# KiCad board C816Pro.kicad_pcb (continued)
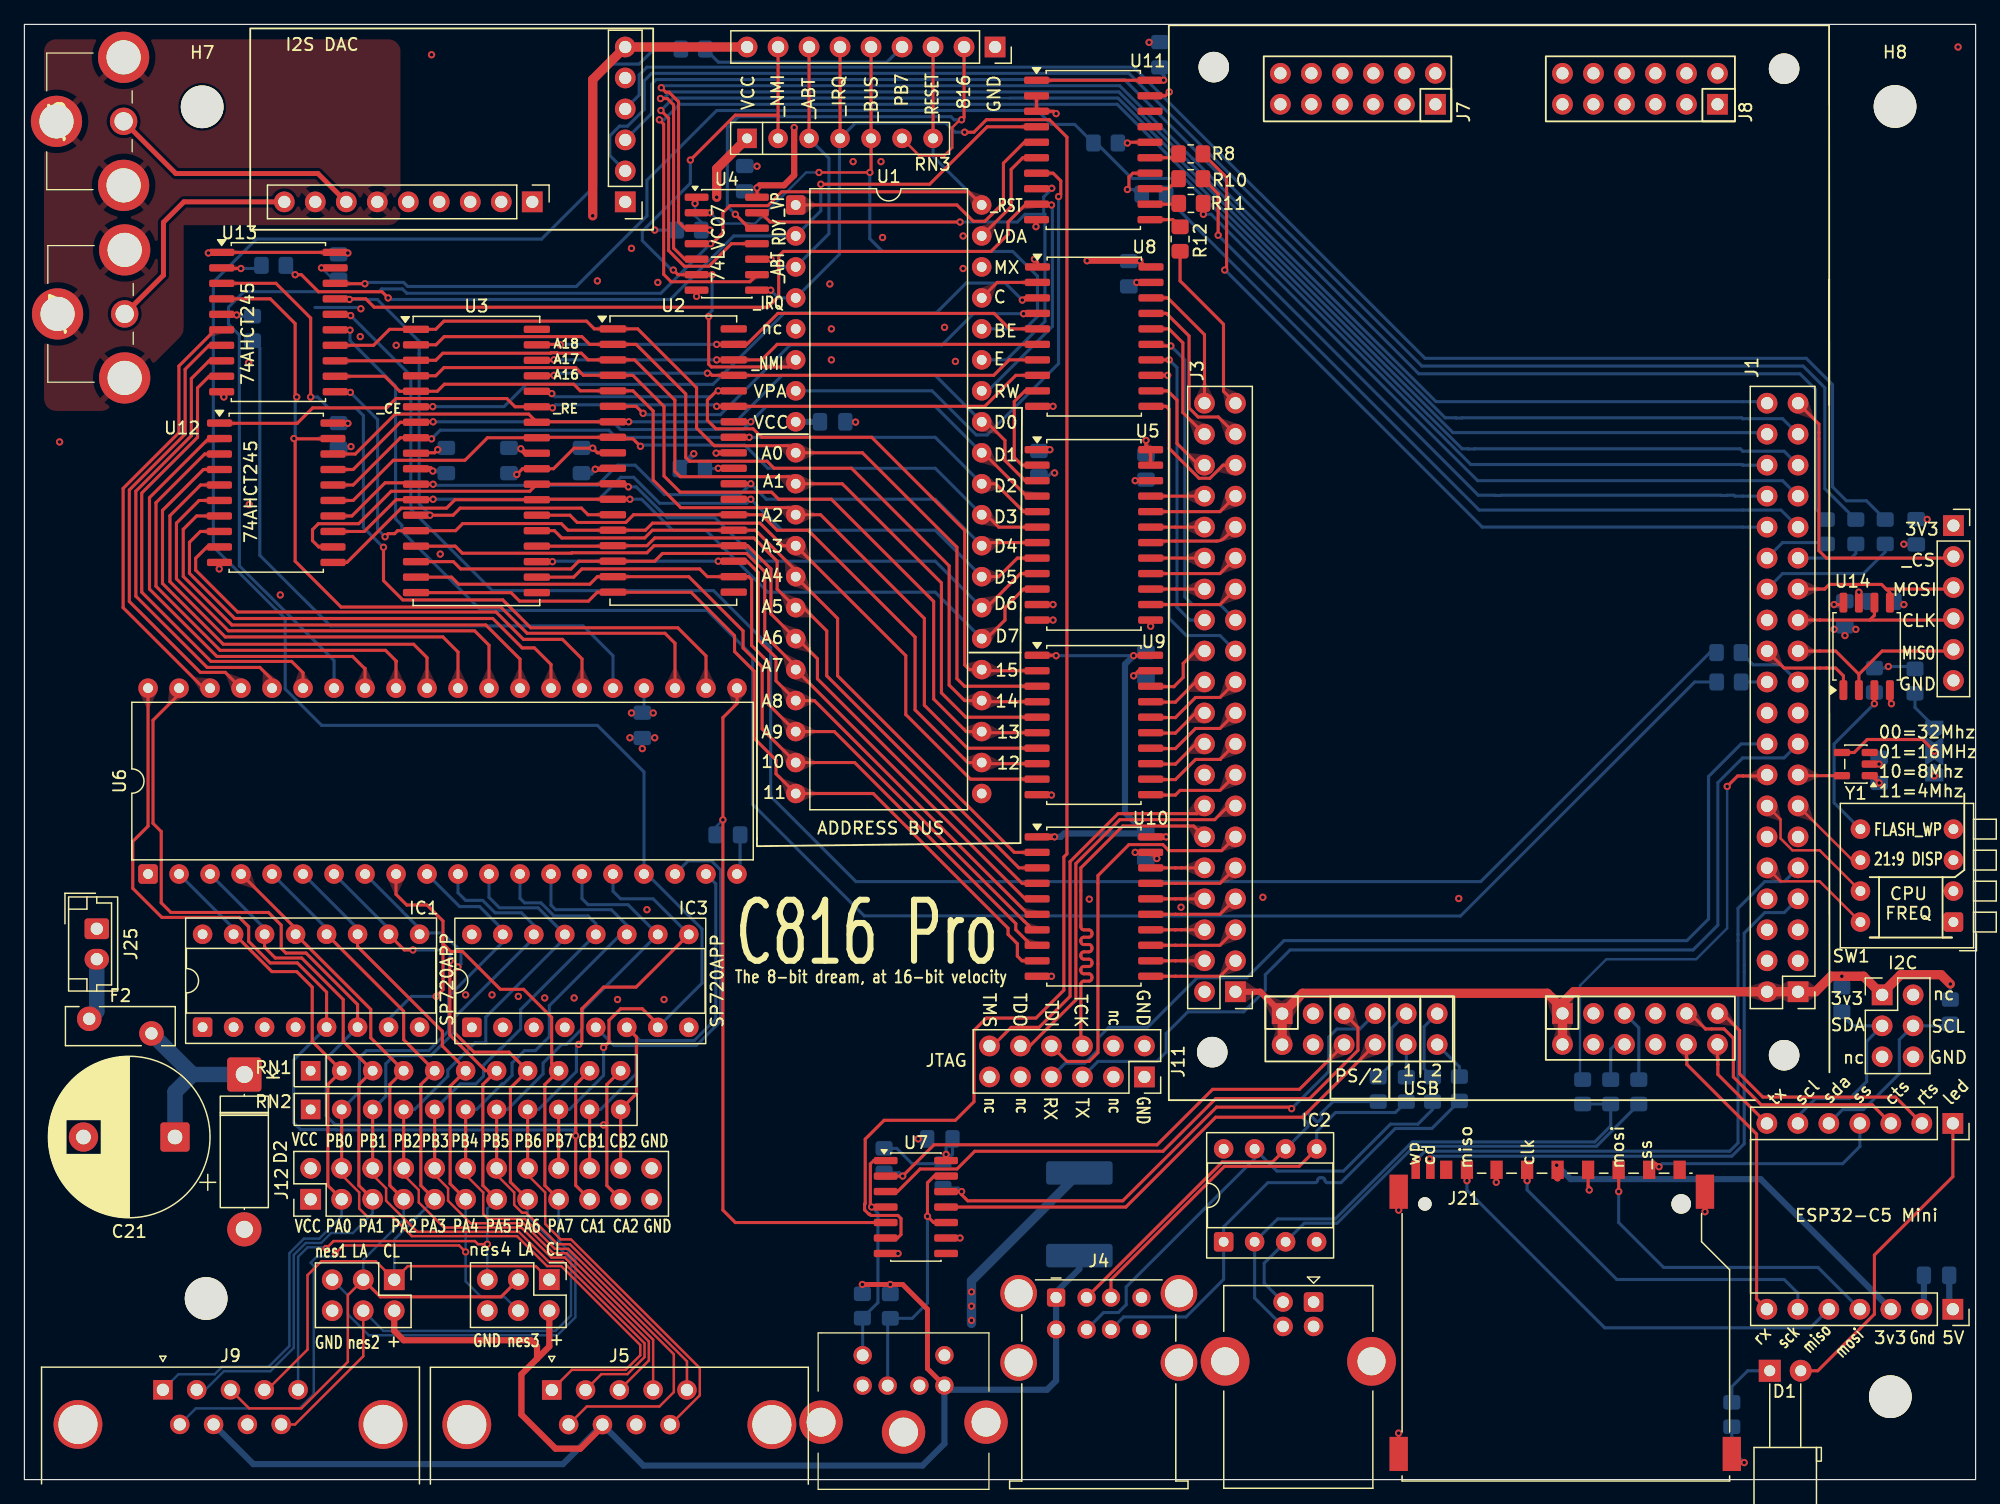
[diagram p0: board, top side]
## Footprints (pads in the part's own frame, mm; a bottom-side part is the same pattern mirrored in y, then rotated)
57492651
  round 1.509 hole 0.97: 1(0,0) 2(-2.6,0) 3(2.05,0) 4(-4.65,0) 5(2.05,-2.49) 6(-4.65,-2.49)
  round 3.555 hole 2.37: 7(-1.3,3.81) 8(-8.06,3) 9(5.46,3)
C_0805_2012Metric_Pad1.18x1.45mm_HandSolder
  rrect 1.175x1.45 smd: 1(-1.038,0) 2(1.038,0)
CP_Radial_D13.0mm_P7.50mm
  rrect 2.4x2.4 hole 1.2: 1(0,0)
  round 2.4 hole 1.2: 2(7.5,0)
D_5W_P12.70mm_Horizontal
  rrect 2.8x2.8 hole 1.4: 1(0,0)
  round 2.8 hole 1.4: 2(12.7,0)
DIP-8_W7.62mm_Socket
  rrect 1.6x1.6 hole 0.8: 1(0,0)
  round 1.6 hole 0.8: 2(0,-2.54) 3(0,-5.08) 4(0,-7.62) 5(7.62,-7.62) 6(7.62,-5.08) 7(7.62,-2.54) 8(7.62,0)
DIP-16_W7.62mm_Socket
  rrect 1.6x1.6 hole 0.8: 1(0,0)
  round 1.6 hole 0.8: 2(0,-2.54) 3(0,-5.08) 4(0,-7.62) 5(0,-10.16) 6(0,-12.7) 7(0,-15.24) 8(0,-17.78) 9(7.62,-17.78) 10(7.62,-15.24) 11(7.62,-12.7) 12(7.62,-10.16) 13(7.62,-7.62) 14(7.62,-5.08) 15(7.62,-2.54) 16(7.62,0)
DIP-40_W15.24mm
  rrect 1.6x1.6 hole 0.8: 1(0,0)
  round 1.6 hole 0.8: 2(0,-2.54) 3(0,-5.08) 4(0,-7.62) 5(0,-10.16) 6(0,-12.7) 7(0,-15.24) 8(0,-17.78) 9(0,-20.32) 10(0,-22.86) 11(0,-25.4) 12(0,-27.94) 13(0,-30.48) 14(0,-33.02) 15(0,-35.56) 16(0,-38.1) 17(0,-40.64) 18(0,-43.18) 19(0,-45.72) 20(0,-48.26) 21(15.24,-48.26) 22(15.24,-45.72) 23(15.24,-43.18) 24(15.24,-40.64) 25(15.24,-38.1) 26(15.24,-35.56) 27(15.24,-33.02) 28(15.24,-30.48) 29(15.24,-27.94) 30(15.24,-25.4) 31(15.24,-22.86) 32(15.24,-20.32) 33(15.24,-17.78) 34(15.24,-15.24) 35(15.24,-12.7) 36(15.24,-10.16) 37(15.24,-7.62) 38(15.24,-5.08) 39(15.24,-2.54) 40(15.24,0)
DSUB-9_Pins_Horizontal_P2.77x2.84mm_EdgePinOffset4.94mm_Housed_MountingHolesOffset4.94mm
  rect 1.6x1.6 hole 1: 1(0,0)
  round 1.6 hole 1: 2(2.77,0) 3(5.54,0) 4(8.31,0) 5(11.08,0) 6(1.385,-2.84) 7(4.155,-2.84) 8(6.925,-2.84) 9(9.695,-2.84)
  round 4 hole 3.2: SH(-6.96,-2.84) SH(18.04,-2.84)
Fuse_2920_7451Metric
  rrect 1.925x5.45 smd: 1(-3.388,0) 2(3.388,0)
Fuse_Bourns_MF-RHT300
  round 2.01 hole 1.01: 1(0,0) 2(5.1,-1.2)
JST_EH_B2B-EH-A_1x02_P2.50mm_Vertical
  rrect 1.7x2 hole 1: 1(0,0)
  oval 1.7x2 hole 1: 2(2.5,0)
LED_D5.0mm_Horizontal_O6.35mm_Z3.0mm
  rect 1.8x1.8 hole 0.9: 1(0,0)
  round 1.8 hole 0.9: 2(2.54,0)
MountingHole_2.5mm
  round 2.5 hole 2.5 unplated: (0,0)
MountingHole_3.5mm
  round 3.5 hole 3.5 unplated: (0,0)
MyNetTie-2_SMD_Pad0.25mm
  oval 0.254x0.254 smd: 1(-0.25,0)
  oval 0.25x0.254 smd: 2(0.25,0)
NYS354
  round 2.25 hole 1.5: 1(0,0)
  round 4.2 hole 2.8: MH1(0,5.5) MH2(-5.25,0) MH3(5.25,0)
PinHeader_1x06_P2.54mm_Vertical
  rect 1.7x1.7 hole 1: 1(0,0)
  round 1.7 hole 1: 2(0,-2.54) 3(0,-5.08) 4(0,-7.62) 5(0,-10.16) 6(0,-12.7)
PinHeader_1x09_P2.54mm_Vertical
  rect 1.7x1.7 hole 1: 1(0,0)
  round 1.7 hole 1: 2(0,-2.54) 3(0,-5.08) 4(0,-7.62) 5(0,-10.16) 6(0,-12.7) 7(0,-15.24) 8(0,-17.78) 9(0,-20.32)
PinHeader_2x03_P2.54mm_Vertical
  rect 1.7x1.7 hole 1: 1(0,0)
  round 1.7 hole 1: 2(2.54,0) 3(0,-2.54) 4(2.54,-2.54) 5(0,-5.08) 6(2.54,-5.08)
PinHeader_2x06_P2.54mm_Vertical
  rect 1.7x1.7 hole 1: 1(0,0)
  round 1.7 hole 1: 2(2.54,0) 3(0,-2.54) 4(2.54,-2.54) 5(0,-5.08) 6(2.54,-5.08) 7(0,-7.62) 8(2.54,-7.62) 9(0,-10.16) 10(2.54,-10.16) 11(0,-12.7) 12(2.54,-12.7)
PinHeader_2x12_P2.54mm_Vertical
  rect 1.7x1.7 hole 1: 1(0,0)
  round 1.7 hole 1: 2(2.54,0) 3(0,-2.54) 4(2.54,-2.54) 5(0,-5.08) 6(2.54,-5.08) 7(0,-7.62) 8(2.54,-7.62) 9(0,-10.16) 10(2.54,-10.16) 11(0,-12.7) 12(2.54,-12.7) 13(0,-15.24) 14(2.54,-15.24) 15(0,-17.78) 16(2.54,-17.78) 17(0,-20.32) 18(2.54,-20.32) 19(0,-22.86) 20(2.54,-22.86) 21(0,-25.4) 22(2.54,-25.4) 23(0,-27.94) 24(2.54,-27.94)
PinHeader_2x20_P2.54mm_Vertical
  rect 1.7x1.7 hole 1: 1(0,0)
  round 1.7 hole 1: 2(2.54,0) 3(0,-2.54) 4(2.54,-2.54) 5(0,-5.08) 6(2.54,-5.08) 7(0,-7.62) 8(2.54,-7.62) 9(0,-10.16) 10(2.54,-10.16) 11(0,-12.7) 12(2.54,-12.7) 13(0,-15.24) 14(2.54,-15.24) 15(0,-17.78) 16(2.54,-17.78) 17(0,-20.32) 18(2.54,-20.32) 19(0,-22.86) 20(2.54,-22.86) 21(0,-25.4) 22(2.54,-25.4) 23(0,-27.94) 24(2.54,-27.94) 25(0,-30.48) 26(2.54,-30.48) 27(0,-33.02) 28(2.54,-33.02) 29(0,-35.56) 30(2.54,-35.56) 31(0,-38.1) 32(2.54,-38.1) 33(0,-40.64) 34(2.54,-40.64) 35(0,-43.18) 36(2.54,-43.18) 37(0,-45.72) 38(2.54,-45.72) 39(0,-48.26) 40(2.54,-48.26)
PinSocket_1x06_P2.54mm_Vertical
  rect 1.7x1.7 hole 1: 1(0,0)
  round 1.7 hole 1: 2(0,-2.54) 3(0,-5.08) 4(0,-7.62) 5(0,-10.16) 6(0,-12.7)
PinSocket_1x07_P2.54mm_Vertical
  rect 1.7x1.7 hole 1: 1(0,0)
  round 1.7 hole 1: 2(0,-2.54) 3(0,-5.08) 4(0,-7.62) 5(0,-10.16) 6(0,-12.7) 7(0,-15.24)
PinSocket_1x09_P2.54mm_Vertical
  rect 1.7x1.7 hole 1: 1(0,0)
  round 1.7 hole 1: 2(0,-2.54) 3(0,-5.08) 4(0,-7.62) 5(0,-10.16) 6(0,-12.7) 7(0,-15.24) 8(0,-17.78) 9(0,-20.32)
PinSocket_2x06_P2.54mm_Vertical
  rect 1.7x1.7 hole 1: 1(0,0)
  round 1.7 hole 1: 2(-2.54,0) 3(0,-2.54) 4(-2.54,-2.54) 5(0,-5.08) 6(-2.54,-5.08) 7(0,-7.62) 8(-2.54,-7.62) 9(0,-10.16) 10(-2.54,-10.16) 11(0,-12.7) 12(-2.54,-12.7)
R_0805_2012Metric_Pad1.20x1.40mm_HandSolder
  rrect 1.2x1.4 smd: 1(-1,0) 2(1,0)
R_Array_SIP7
  rect 1.6x1.6 hole 0.8: 1(0,0)
  round 1.6 hole 0.8: 2(2.54,0) 3(5.08,0) 4(7.62,0) 5(10.16,0) 6(12.7,0) 7(15.24,0)
R_Array_SIP11
  rect 1.6x1.6 hole 0.8: 1(0,0)
  round 1.6 hole 0.8: 2(2.54,0) 3(5.08,0) 4(7.62,0) 5(10.16,0) 6(12.7,0) 7(15.24,0) 8(17.78,0) 9(20.32,0) 10(22.86,0) 11(25.4,0)
SD_TE_2041021
  round 1.1 hole 1.1 unplated: (-11.5,9.175)
  round 1.6 hole 1.6 unplated: (9.5,9.175)
  rect 1x1.5 smd: 1(6.875,11.975) 2(4.375,11.975) 3(1.875,11.975) 4(-0.625,11.975) 5(-3.125,11.975) 6(-5.625,11.975) 7(-8.055,11.975) 8(-9.755,11.975) 9(9.375,11.975)
  rect 0.7x1.5 smd: 10(-11.055,11.975) 11(-12.255,11.975)
  rect 1.5x2.8 smd: SH(-13.65,10.175) SH(-13.65,-11.325) SH(11.45,10.175) SH(13.65,-11.325)
SOIC-8_5.3x5.3mm_P1.27mm
  rrect 1.625x0.65 smd: 1(-3.587,1.905) 2(-3.587,0.635) 3(-3.587,-0.635) 4(-3.587,-1.905) 5(3.587,-1.905) 6(3.587,-0.635) 7(3.587,0.635) 8(3.587,1.905)
SOIC-14_3.9x8.7mm_P1.27mm
  rrect 1.95x0.6 smd: 1(-2.475,3.81) 2(-2.475,2.54) 3(-2.475,1.27) 4(-2.475,0) 5(-2.475,-1.27) 6(-2.475,-2.54) 7(-2.475,-3.81) 8(2.475,-3.81) 9(2.475,-2.54) 10(2.475,-1.27) 11(2.475,0) 12(2.475,1.27) 13(2.475,2.54) 14(2.475,3.81)
SOIC-20W_7.5x12.8mm_P1.27mm
  rrect 2.05x0.6 smd: 1(-4.65,5.715) 2(-4.65,4.445) 3(-4.65,3.175) 4(-4.65,1.905) 5(-4.65,0.635) 6(-4.65,-0.635) 7(-4.65,-1.905) 8(-4.65,-3.175) 9(-4.65,-4.445) 10(-4.65,-5.715) 11(4.65,-5.715) 12(4.65,-4.445) 13(4.65,-3.175) 14(4.65,-1.905) 15(4.65,-0.635) 16(4.65,0.635) 17(4.65,1.905) 18(4.65,3.175) 19(4.65,4.445) 20(4.65,5.715)
SOIC-24W_7.5x15.4mm_P1.27mm
  rrect 2.05x0.6 smd: 1(-4.65,6.985) 2(-4.65,5.715) 3(-4.65,4.445) 4(-4.65,3.175) 5(-4.65,1.905) 6(-4.65,0.635) 7(-4.65,-0.635) 8(-4.65,-1.905) 9(-4.65,-3.175) 10(-4.65,-4.445) 11(-4.65,-5.715) 12(-4.65,-6.985) 13(4.65,-6.985) 14(4.65,-5.715) 15(4.65,-4.445) 16(4.65,-3.175) 17(4.65,-1.905) 18(4.65,-0.635) 19(4.65,0.635) 20(4.65,1.905) 21(4.65,3.175) 22(4.65,4.445) 23(4.65,5.715) 24(4.65,6.985)
SOJ-36_10.16x23.495mm_P1.27mm
  rrect 2.15x0.6 smd: 1(-4.95,10.795) 2(-4.95,9.525) 3(-4.95,8.255) 4(-4.95,6.985) 5(-4.95,5.715) 6(-4.95,4.445) 7(-4.95,3.175) 8(-4.95,1.905) 9(-4.95,0.635) 10(-4.95,-0.635) 11(-4.95,-1.905) 12(-4.95,-3.175) 13(-4.95,-4.445) 14(-4.95,-5.715) 15(-4.95,-6.985) 16(-4.95,-8.255) 17(-4.95,-9.525) 18(-4.95,-10.795) 19(4.95,-10.795) 20(4.95,-9.525) 21(4.95,-8.255) 22(4.95,-6.985) 23(4.95,-5.715) 24(4.95,-4.445) 25(4.95,-3.175) 26(4.95,-1.905) 27(4.95,-0.635) 28(4.95,0.635) 29(4.95,1.905) 30(4.95,3.175) 31(4.95,4.445) 32(4.95,5.715) 33(4.95,6.985) 34(4.95,8.255) 35(4.95,9.525) 36(4.95,10.795)
SolderJumper-3_P2.0mm_Open_TrianglePad1.0x1.5mm_NumberLabels
  custom 1.5x1.5 smd: 1(-2,0) 3(2,0)
  custom 2.4x1.5 smd: 2(0,0)
SW_DIP_SPSTx04_Piano_10.8x11.72mm_W7.62mm_P2.54mm
  rrect 1.6x1.6 hole 0.8: 1(0,0)
  round 1.6 hole 0.8: 2(0,-2.54) 3(0,-5.08) 4(0,-7.62) 5(7.62,-7.62) 6(7.62,-5.08) 7(7.62,-2.54) 8(7.62,0)
TSOT-23-5
  rrect 1.325x0.6 smd: 1(-1.137,0.95) 2(-1.137,0) 3(-1.137,-0.95) 4(1.137,-0.95) 5(1.137,0.95)
USB_A_Wuerth_61400826021_Horizontal_Stacked
  rrect 1.5x1.5 hole 0.92: 1(0,0)
  round 1.5 hole 0.92: 2(2.5,0) 3(4.5,0) 4(7,0) 5(0,-2.62) 6(2.5,-2.62) 7(4.5,-2.62) 8(7,-2.62)
  round 3 hole 2.3: SH(-3.07,0.35) SH(-3.07,-5.33) SH(10.07,0.35) SH(10.07,-5.33)
USB_B_Lumberg_2411_02_Horizontal
  rrect 1.6x1.6 hole 0.95: 1(0,0)
  round 1.6 hole 0.95: 2(0,-2.5) 3(2,-2.5) 4(2,0)
  round 4 hole 2.3: SH(4.86,4.75) SH(4.86,-7.25)

## Nets
+3V3: C7.1 C9.1 C12.1 C13.1 C14.1 C15.1 C17.1 C18.1 C19.1 IC2.8 J1.1 J1.2 J2.1 J2.2 J3.1 J6.1 J6.2 J7.1 J7.2 J8.1 J8.2 J16.1 J19.1 R5.2 R7.1 R15.1 R16.1 R25.2 R26.2 R34.1 U4.14 U5.23 U5.24 U7.14 U9.1 U9.20 U10.1 U10.20 U11.1 U11.20 U14.8 Y1.1
/A3V3: J24.5
/AGND: J24.6 J24.8 J26.MH1 J26.MH2 J26.MH3 J27.MH1 J27.MH2 J27.MH3
/VBUS: F1.1 J4.1 J4.5 J5.7 J9.7 J10.4 J14.2 J15.2 R4.2 R6.1
GND: C1.2 C2.2 C3.2 C4.2 C5.2 C6.2 C7.2 C8.2 C9.2 C10.2 C11.2 C12.2 C13.2 C14.2 C15.2 C16.2 C17.2 C18.2 C19.2 C20.2 C21.2 D2.2 IC1.1 IC1.2 IC1.3 IC1.4 IC1.8 IC2.4 IC3.1 IC3.2 IC3.3 IC3.4 IC3.8 J1.5 J1.6 J1.8 J2.3 J2.4 J3.2 J3.16 J4.4 J4.8 J4.SH J5.8 J6.3 J6.4 J7.3 J7.4 J8.3 J8.4 J9.8 J10.3 J10.7 J10.8 J10.9 J11.1 J11.2 J12.23 J12.24 J13.1 J14.6 J15.6 J16.6 J17.1 J18.4 J18.SH J19.6 J20.1 J20.5 J21.3 J21.6 J21.SH J22.2 J25.1 R2.1 R24.2 SW1.1 SW1.2 SW1.3 SW1.4 U1.21 U2.10 U2.28 U3.10 U3.28 U4.7 U5.11 U5.12 U5.13 U5.22 U6.1 U7.7 U7.9 U8.1 U8.10 U8.19 U9.10 U9.19 U10.10 U10.19 U11.2 U11.3 U11.10 U11.19 U12.10 U13.10 U13.19 U14.4 Y1.2
VCC: C1.1 C2.1 C3.1 C4.1 C5.1 C6.1 C8.1 C10.1 C11.1 C16.1 C20.1 C21.1 D2.1 F1.2 F2.2 IC1.16 IC3.16 J1.3 J1.4 J12.1 J12.2 J17.9 J20.6 J22.1 R3.1 RN1.1 RN2.1 RN3.1 U1.8 U2.9 U2.27 U3.9 U3.27 U5.1 U6.20 U6.24 U8.20 U12.20 U13.1 U13.20
/ A13_IOR32A_READY: J1.20
/_ABT: J17.7 RN3.3 U1.3 U4.10
/_ABT.: NT56.2 U4.11
/_CE1: U2.6 U8.4
/_CE2: U3.6 U8.3
/_CESD: J16.2 NT63.2
/_CS2_VIA: U6.23 U12.19 U13.4
/_CSFLASH: NT51.2 U14.1
/_CSVIA: R14.1 U13.16
/_IRQ: J17.6 RN3.4 U1.4 U4.8 U7.6
/_IRQ.: NT58.2 U4.9
/_IRQ.2: R3.2 U6.21 U7.5
/_NMI: J17.8 RN3.2 U1.6 U4.6
/_NMI.: NT57.2 U4.5
/_RE: U2.31 U3.31 U8.8 U12.1
/_RESET: J17.3 RN3.7 U1.40 U4.4 U6.34
/_RESET.: NT54.1 NT55.2 R2.2 U4.3
/_RWVIA: U6.22 U13.3
/_VP: U1.1 U11.5
/_VP.: R8.2 U11.15
/_WE: NT52.2 U2.13 U3.13
/_WPFLASH: R15.2 SW1.5 U14.3
/A0: U1.9 U2.1 U3.1 U9.3 U13.14
/A1: U1.10 U2.3 U3.3 U9.5 U13.13
/A2: U1.11 U2.5 U3.5 U9.7 U13.12
/A3: U1.12 U2.14 U3.14 U9.9 U13.11
/A4: U1.13 U2.23 U3.23 U10.2
/A5: U1.14 U2.15 U3.22 U10.3
/A6: U1.15 U2.22 U3.15 U10.4
/A7: U1.16 U2.16 U3.16 U10.5
/A8: U1.17 U2.21 U3.21 U10.6
/A9: U1.18 U2.20 U3.20 U10.7
/A9_IOL27A: J2.8
/A10: U1.19 U2.17 U3.17 U10.8
/A11: U1.20 U2.18 U3.18 U10.9
/A11_IOL15A: J3.17 NT36.1
/A12: U1.22 U2.24 U3.24 U9.8
/A12_IOL13B: J3.6 NT27.2
/A13: U1.23 U2.4 U3.4 U9.6
/A14: U1.24 U2.2 U3.2 U9.4
/A14_IOL8B: J3.22 NT43.2
/A15: U1.25 U2.32 U3.32 U9.2
/A15_IOL2B: J3.24 NT42.2
/A16: U2.33 U3.33 U8.7
/A17: U2.34 U3.34 U8.6
/A18: U2.35 U3.35 U8.5
/A_0: NT43.1 U9.17
/A_1: NT44.1 U9.15
/A_2: NT45.1 U9.13
/A_3: NT37.2 U9.11
/A_4: NT29.1 U10.18
/A_5: NT33.1 U10.17
/A_6: NT28.1 U10.16
/A_7: NT32.1 U10.15
/A_8: NT27.1 U10.14
/A_9: NT31.1 U10.13
/A_10: NT26.1 U10.12
/A_11: NT30.1 U10.11
/A_12: NT36.2 U9.12
/A_13: NT35.2 U9.14
/A_14: NT34.2 U9.16
/A_15: NT42.1 U9.18
/B11_IOL13A: J3.5 NT31.2
/B12_IOL7B: J3.19 NT35.1
/B13_IOL8A: J3.21 NT34.1
/B14_IOL2A: J3.23 U8.13
/BE: J17.5 RN3.5 U1.36 U4.2
/BE.: NT54.2 U4.1
/C9_IOL27B: J2.7
/C10_IOR39A: J3.15 NT37.1
/C11_IOL15B: J3.18 NT45.2
/C12_IOL7A: J3.20 NT44.2
/C13_IOR32B_DONE: J1.16 NT48.2
/CA1: IC1.5 J12.19 RN1.10 U6.40
/CA2: IC1.6 J12.21 RN1.11 U6.39
/CB1: IC3.5 J12.20 RN2.10 U6.18
/CB2: IC3.6 J12.22 RN2.11 U6.19
/CLK_IN: J1.15 Y1.5
/CLKVIA: R13.1 U13.15
/D0: U1.33 U2.7 U3.30 U5.3 U12.18
/D1: U1.32 U2.30 U3.7 U5.4 U12.17
/D2: U1.31 U2.29 U3.8 U5.5 U12.16
/D3: U1.30 U2.8 U3.29 U5.6 U12.15
/D4: U1.29 U2.26 U3.11 U5.7 U12.14
/D5: U1.28 U2.25 U3.12 U5.8 U12.13
/D6: U1.27 U2.11 U3.26 U5.9 U12.12
/D7: U1.26 U2.12 U3.25 U5.10 U12.11
/D10_IOL17A: J6.8 U7.11
/D11_IOL22A: J6.5 U7.3
/DATADIR: U5.2 U8.9
/DEMP: J24.2
/DIV: J13.2 Y1.4
/DO NOT USE B10_IOR31B_~{RECFG}: J1.19
/E: U1.35 U4.13 U11.8
/E8_IOL45B_1V5: J1.14 SW1.7
/E9_IOL38B_1V5: J1.13 SW1.6
/E10_IOL17B: J6.7 R7.2 U7.12
/E.: R11.2 U11.12
/EPS_CTS: J23.3 NT38.2
/ESP_3V3: J21.4 J22.3
/ESP_CARD: J21.10 NT39.2
/ESP_CS: J21.1 J23.4
/ESP_MISO: J21.7 J22.5
/ESP_MOSI: J21.2 J22.4
/ESP_RTS: J23.2 NT25.2
/ESP_RX: J22.7 NT23.1
/ESP_SCK: J21.5 J22.6
/ESP_SCL: J19.3 J23.6 R26.1
/ESP_SDA: J19.4 J23.5 R25.1
/ESP_STATUS: D1.2 J23.1
/ESP_TX: J23.7 NT24.2
/ESP_WP: J21.11 NT40.2
/F10_IOL11A: J6.6 R5.1 U7.2
/F14_IOT9A: J3.28 U5.15
/F16_IOT9B: J3.27 U5.14
/F_VCCO0&1: J1.11
/F_VCCO7: J1.12
/FLT: J24.1
/FMT: J24.4
/G14_IOT13B: J3.30 U5.17
/G15_IOT13A: J3.29 U5.16
/I2S_BCK: J20.2 R32.1
/I2S_DIN: J20.3 R31.1
/I2S_LRCK: J20.4 R27.1
/JTAG_TCK: J3.12 J11.6
/JTAG_TDI: J3.11 J11.8
/JTAG_TDO: J3.13 J11.10
/JTAG_TMS: J3.14 J11.12
/L: J24.9 J27.1
/LVDS_IOR11_N: J3.39 R12.1
/LVDS_IOR11_P: J3.40 U8.18
/LVDS_IOR17_N: J1.30 R31.2
/LVDS_IOR17_P: J1.29 R32.2
/LVDS_IOR20_N: J3.37 U8.17
/LVDS_IOR20_P: J3.38 U8.16
/LVDS_IOR24_N: J1.31 NT61.2
/LVDS_IOR24_P: J1.32 NT62.2
/LVDS_IOR29_N: J7.10
/LVDS_IOR29_P: J7.9
/LVDS_IOR38_N: J7.6
/LVDS_IOR38_P: J7.5
/LVDS_IOR40_N: J3.7 NT32.2
/LVDS_IOR40_P: J3.8 NT28.2
/LVDS_IOR42_N: J7.7
/LVDS_IOR42_P: J7.8
/LVDS_IOR44_N: J6.11 R18.1
/LVDS_IOR44_P: J6.12 R28.1
/LVDS_IOR49_N: J6.9 R29.1
/LVDS_IOR49_P: J6.10 R30.1
/LVDS_IOR53_N: J7.11
/LVDS_IOR53_P: J7.12
/LVDS_IOT8_N: J3.33 U5.20
/LVDS_IOT8_P: J3.34 U5.21
/LVDS_IOT14_N: J1.21 R14.2
/LVDS_IOT14_P: J1.22 R13.2
/LVDS_IOT18_N: J1.24 NT51.1
/LVDS_IOT18_P: J1.23 NT66.1
/LVDS_IOT22_N: J3.31 U5.18
/LVDS_IOT22_P: J3.32 U5.19
/LVDS_IOT32_N: J2.5 R22.1
/LVDS_IOT32_P: J2.6 R23.1
/LVDS_IOT36_N: J1.25 NT65.1
/LVDS_IOT36_P: J1.26
/LVDS_IOT38_N: J1.27 NT64.1
/LVDS_IOT38_P: J1.28 R27.2
/LVDS_IOT40_N: J3.36 U8.12
/LVDS_IOT40_P: J3.35 U8.11
/LVDS_IOT44_N: J3.26 U8.14
/LVDS_IOT44_P: J3.25 U8.15
/LVDS_RX1_N: J1.39 NT63.1
/LVDS_RX1_P: J1.40 NT55.1
/LVDS_RX2_N: J8.6
/LVDS_RX2_P: J8.5
/LVDS_RX3_N: J8.8
/LVDS_RX3_P: J8.7
/LVDS_RX4_N: J8.9
/LVDS_RX4_P: J8.10
/LVDS_RX5_N: J8.11
/LVDS_RX5_P: J8.12
/LVDS_TX1_N: J2.10 NT23.2
/LVDS_TX1_P: J2.9 NT38.1
/LVDS_TX2_N: J2.11 NT25.1
/LVDS_TX2_P: J2.12 NT24.1
/LVDS_TX3_N: J1.34 NT60.2
/LVDS_TX3_P: J1.33 NT59.2
/LVDS_TX4_N: J1.35 NT58.1
/LVDS_TX4_P: J1.36 NT53.1
/LVDS_TX5_N: J1.37 NT57.1
/LVDS_TX5_P: J1.38 NT56.1
/M11_IOR27B_FPGA_TXO: J1.18 J11.7
/MISO: J16.5 NT66.2 U14.2
/MOSI: J16.3 NT64.2 U14.5
/MX: U1.38
/N6_IOR51A: J3.3 NT30.2
/N7_IOR47B: J3.4 NT26.2
/N9_IOR36B: J3.10 NT29.2
/PA0: IC1.15 J9.1 J12.3 RN1.2 U6.2
/PA1: IC1.14 J9.2 J12.5 RN1.3 U6.3
/PA2: IC1.13 J9.3 J12.7 J14.3 J15.3 RN1.4 U6.4
/PA3: IC1.12 J9.4 J12.9 J14.1 J15.1 RN1.5 U6.5
/PA4: IC1.11 J9.6 J12.11 J14.4 RN1.6 U6.6
/PA5: IC1.10 J9.5 J12.13 J14.5 RN1.7 U6.7
/PA6: IC1.9 J9.9 J12.15 J15.4 RN1.8 U6.8
/PA7: IC1.7 J12.17 J15.5 RN1.9 U6.9
/PB0: IC3.15 J5.1 J12.4 RN2.2 U6.10
/PB1: IC3.14 J5.2 J12.6 RN2.3 U6.11
/PB2: IC3.13 J5.3 J12.8 RN2.4 U6.12
/PB3: IC3.12 J5.4 J12.10 RN2.5 U6.13
/PB4: IC3.11 J5.6 J12.12 RN2.6 U6.14
/PB5: IC3.10 J5.5 J12.14 RN2.7 U6.15
/PB6: IC3.9 J5.9 J12.16 RN2.8 U6.16
/PB7: IC3.7 J12.18 R33.1 RN2.9 U6.17
/PHI2: U1.37 U8.2
/PHI2.2: R1.1 U13.5
/PHIVIA: R1.2 U6.25
/PS2DAT: J10.1 R6.2 U7.10 U7.13
/PSCLK: J10.5 R4.1 U7.1 U7.4
/R: J24.7 J26.1
/R9_IOR35A: J3.9 NT33.2
/RDY: R19.2 U1.2 U11.4
/RDY.: NT53.2 R17.1 U13.18
/RDY..: R17.2 U11.16
/RS0: U6.38 U13.6
/RS1: U6.37 U13.7
/RS2: U6.36 U13.8
/RS3: U6.35 U13.9
/RW: NT52.1 U1.34 U11.9 U13.17
/SCK: J16.4 NT65.2 U14.6
/T3_IOB52B_1V5: J1.9 NT40.1
/T4_IOB45B_1V5: J1.10 SW1.8
/T5_IOB54B_1V5: J1.7 NT39.1
/T13_IOR8B_FPGA_RXO: J1.17 J11.5
/UD1N: IC2.6 J4.2 R29.2
/UD1P: IC2.5 J4.3 R30.2
/UD2N: IC2.7 J4.6 R18.2
/UD2P: IC2.1 J4.7 R28.2
/UD3N: IC2.3 J18.2 R22.2
/UD3P: IC2.2 J18.3 R21.2 R23.2
/USB3_CON: NT48.1 R21.1
/VD0: U6.33 U12.2
/VD1: U6.32 U12.3
/VD2: U6.31 U12.4
/VD3: U6.30 U12.5
/VD4: U6.29 U12.6
/VD5: U6.28 U12.7
/VD6: U6.27 U12.8
/VD7: U6.26 U12.9
/VDA: U1.39 U11.6
/VDA.: R9.2 U11.14
/VPA: U1.7 U11.7
/VPA.: R10.2 U11.13
/XSMT: J24.3
Net-(D1-K): D1.1 R24.1
Net-(J13-Pin_3): J13.3 R34.2
Net-(J17-Pin_2): J17.2 RN3.6 U4.12
Net-(J17-Pin_4): J17.4 R33.2
Net-(J25-Pin_2): F2.1 J25.2
Net-(NT59-Pad1): NT59.1 R11.1
Net-(NT60-Pad1): NT60.1 R10.1
Net-(NT61-Pad1): NT61.1 R9.1
Net-(NT62-Pad1): NT62.1 R8.1
Net-(U11-B7): R12.2 U11.11
Net-(U13-A0): R19.1 U13.2
Net-(U14-~{HOLD}/~{RESET}/IO_{3}): R16.2 U14.7

Pads without a net: J5 SH; J9 SH; J10 2 6; J11 3 4 9 11; J18 1; J19 2 5; J21 8 9; U1 5; U2 19 36; U3 19 36; U7 8; U11 17 18; Y1 3

## Via types
v1: diameter 0.6, hole 0.3, Top to Bottom, 223 vias

## Routing (per net, layer and track width the routed paths; a pad name or vN(x,y) marks a point on that pad's centre or on a via; arc(x,y) is an arc through that point)
+3V3: length 147.8
  Top w0.254: U7.14 v1(75.53,26.67) ; U9.1 84.51,67.6 v1(84.54,67.56) ; v1(90.89,67.56) 92.25,67.56 U9.20 ; 149.06,71.91 148.9,71.75 v1(148.3,71.75) ; v1(151.99,57.13) 151.4,57.72 Y1.1 ; U11.20 U11.1 ; U4.14 v1(60.03,105.92) ; 92.29,83.18 U5.24 91.91,84.84 v1(91.91,85.22)
  Top w0.508: J6.1 101.28,40.01 J3.1 ; v1(63.08,110.87) 63.08,106.96 62.25,106.13 60.25,106.13 v1(60.03,105.92) ; U10.20 v1(93.56,52.7) ; U10.1 v1(84.42,52.7)
  Top w0.762: J2.1 126.04,39.08 126.96,40.01 J1.2 J1.1 146.77,40.01 148.04,41.27 v1(148.93,41.27) 150.71,41.27 J19.1 152.23,39.88 153.76,41.4 157.06,41.4 v1(157.82,40.64) ; J2.1 J2.2 ; J2.1 126.04,38.64 124.8,39.88 104.74,39.88 J6.1 J6.2
  Bottom w0.254: R5.2 71.48,27.16 72.73,25.91 R7.1 76.06,26.69 C7.1 75.53,27.41 v1(75.53,26.67) ; R25.2 v1(157.82,40.64) ; R16.1 153.76,72.01 v1(154.01,71.75) ; C19.1 155.9,78.76 v1(155.92,78.74) ; v1(93.36,114.76) 93.43,114.83 93.43,115.06 93.05,115.44 C12.1 ; R15.1 152.62,66.55 v1(152.74,66.67) 154.73,66.67 R34.1 ; R26.2 v1(148.93,41.27) ; C14.1 v1(91.91,85.22) ; v1(148.3,71.75) 148.57,72.03 C17.1 ; v1(60.03,105.92) 59.3,105.92 C9.1 ; v1(84.54,67.56) v1(90.89,67.56)
  Bottom w0.508: v1(84.42,52.7) 84.92,52.7 85.2,52.98 C15.1 90.19,54.69 90.19,66.86 v1(90.89,67.56)
/VBUS: length 137.7
  Top w0.406: J10.4 74,9.1 74,13.97 71.97,16 v1(70.95,16) v1(68.67,16)
  Top w0.508: J15.2 30.31,12.2 31.08,11.43 41.49,11.43 42.01,10.91 42.01,9.91 ; J5.7 47.37,4.35 45.55,2.54 43.52,2.54 40.73,5.33 40.73,8.64 42.01,9.91 ; J14.2 43.01,10.92 42.01,9.91
  Bottom w0.254: R4.2 v1(68.67,16) ; R6.1 v1(70.95,16)
  Bottom w0.508: F1.1 86.45,17.27 84.54,15.37 J4.1 J4.5 84.54,8.11 83.79,7.37 75.74,7.37 J10.4 75.39,2.95 73.59,1.15 50.73,1.15 J5.7 44.13,1.27 18.76,1.27 J9.7
GND: length 78.7
  Top w0.254: 112.62,2.11 112.62,3.81 v1(112.61,3.81) ; J21.6 120.64,24.41 v1(120.61,24.38) ; v1(90.89,65.91) 91.27,66.29 92.25,66.29 U9.19 ; U10.10 v1(84.16,41.27) ; v1(55.08,97.03) 55.08,97.03 U4.7 ; v1(82.89,102.74) 82.94,102.79 U11.10 ; v1(128.23,23.75) 128.23,23.98 128.14,24.07 J21.3 ; U12.10 15.99,74.7 v1(15.96,74.68) ; v1(91.02,81.91) U5.22 ; U5.13 v1(92.29,69.98) ; v1(92.8,50.93) U10.19 v1(91.02,51.43) ; v1(93.81,113.79) 93.5,113.48 U11.19 ; J21.SH 140.62,1.4 v1(140.93,1.4) 139.92,1.4 ; 83.02,88.01 v1(84.29,88.01) ; U7.9 v1(76.67,19.81) ; U13.10 16.17,88.85 16.24,88.77 v1(16.34,88.77) ; U8.19 v1(91.15,98.17) ; v1(137.72,21.97) 137.72,22.9 ; v1(82.77,100.08) 83.02,99.82 83.02,99.44 ; v1(112.62,22.1) 112.62,23.61 ; U11.2 U11.3 84.35,112.21 84.54,112.02 v1(84.54,112.01) ; v1(24.35,99.36) U13.19 ; U14.4 152.87,63.75 v1(153,63.63) ; 112.62,1.4 112.62,2.36 ; U7.7 v1(71.59,18.54) ; U5.12 v1(84.29,70.48) ; v1(84.16,56.13) 84.13,56.17 U9.10 ; J13.1 v1(156.5,57.71) ; Y1.2 v1(151.98,58.67) ; U5.11 v1(84.29,71.75)
  Top w0.406: v1(40.68,84.53) 41.05,84.16 U3.28 ; 58.13,84.2 56.71,84.2 v1(56.68,84.18) ; v1(46.77,82.85) 48.15,82.85 48.23,82.93 ; U3.10 33.27,82.89 v1(33.46,82.7)
  Bottom w0.2: v1(24.35,99.36) 25.31,98.4 C11.2 26.36,98.4
  Bottom w0.254: C17.2 149.84,69.96 v1(150.08,69.72) ; C17.2 149.18,69.23 v1(149.19,69.21) ; C17.2 148.53,69.96 v1(148.3,69.72) ; v1(51.65,102.46) R2.1 ; C13.2 91.55,65.76 91.4,65.91 v1(90.89,65.91) ; R24.2 139.92,2.41 v1(140.93,1.4) ; v1(154.01,76.71) 154.03,76.69 C19.2 ; v1(151.98,58.67) 151.98,59.19 C18.2 ; C16.2 83.89,82.27 84.16,82.55 v1(84.42,82.55) ; C7.2 v1(73.24,27.94) ; C12.2 92.19,117.88 v1(92.16,117.86) ; C9.2 59.88,107.72 59.91,107.7 v1(60.03,107.7) ; C8.2 v1(50.63,59.94) ; C8.2 49.64,60.81 v1(49.62,60.83) ; C8.2 51.63,60.81 v1(51.65,60.83) ; 23.81,96.11 27.47,96.11 v1(27.57,96.01) ; v1(26.76,84.71) 26.61,84.56 C10.2 ; C14.2 91.1,82 v1(91.02,81.91) ; v1(92.8,50.93) 92.78,50.91 C15.2 91.55,50.91 v1(91.02,51.43) ; IC1.2 17.14,37.68
  Bottom w0.406: v1(40.68,84.53) 39.79,84.53 C3.2 ; C2.2 46.45,82.53 v1(46.77,82.85) ; v1(68.11,86.72) 68.08,86.74 C1.2 ; v1(54.85,84.12) 53.69,82.96 C4.2 ; C5.2 34.57,82.55 34.42,82.7 v1(33.46,82.7)
  Bottom w0.508: C6.2 155.66,14.14 155.49,13.97
  vias: v1(2.88,85.09) v1(18.38,91.59) v1(18.43,79.96) v1(20.97,72.54) v1(27.52,93.73) v1(30.47,93.01) v1(33.36,116.84) v1(34.07,75.9) v1(36.16,39.75) v1(38.32,39.75) v1(40.47,39.62) v1(42.63,39.5) v1(45.05,39.5) v1(46.95,98.3) v1(48.6,39.37) v1(49.75,100.96) v1(51.02,46.74) v1(51.9,98.17) v1(52.41,39.37) v1(66,98.04) v1(66.13,94.36) v1(66.13,91.82) v1(67.91,108.08) v1(70.19,108.08) v1(70.32,101.85) v1(75.4,94.49) v1(76.29,91.69) v1(76.92,101.98) v1(76.92,99.31) v1(87.26,47.6) v1(94.78,46.94) v1(101.49,47.75) v1(117.54,47.65) v1(158.46,117.47)
VCC: length 106.7
  Top w0.254: v1(40.35,82.42) 40.82,82.89 U3.27 43.36,82.89 45.05,84.58 v1(46.57,84.58) 46.95,84.2 U2.9 ; U5.1 v1(84.04,84.45) ; U13.1 U13.20 ; v1(91.4,99.95) 91.91,99.44 92.32,99.44 ; v1(33.87,84.45) 33.62,84.2 32.13,84.2 U3.9 ; U12.20 25.31,86.61 v1(26.5,86.61) ; v1(56.86,82.93) 58.13,82.93
  Top w0.508: v1(91.4,99.95) v1(87.08,99.95)
  Top w0.762: RN3.1 56.73,107.49 v1(56.73,105.16) ; v1(46.57,103.63) 46.57,114.81 J20.6 J17.9
  Bottom w0.254: C4.1 56.83,82.91 v1(56.86,82.93) ; 86.42,25.1 86.45,25.12 F1.2 ; R3.1 58.65,49.92 U6.20 ; v1(51.52,62.86) 51.5,62.89 C8.1 ; v1(46.57,84.58) 45.68,84.58 C2.1 ; C8.1 49.77,62.89 v1(49.75,62.86) ; C8.1 50.77,63.02 U6.24 ; C20.1 90.53,99.95 v1(91.4,99.95)
  Bottom w0.508: v1(84.04,84.45) 83.24,84.45 C16.1 ; J22.1 157.73,14.27 C6.1 ; C1.1 U1.8
  Bottom w0.762: 77.61,12.8 v1(77.61,13.06) v1(77.61,14.22) v1(77.61,15.39) 77.61,16.31 F1.2
  Bottom w1.27: C21.1 12.34,31.79 13.77,33.22 ; 13.77,33.22 D2.1 ; 13.77,33.22 F2.2
  vias: v1(15.07,100.58) v1(26.5,100.58)
/ A13_IOR32A_READY: length 0.2
  Top w0.254: 142.78,62.84 J1.20
  Bottom w0.2: 142.74,62.8 J1.20
  Bottom w0.254: 142.78,62.84 J1.20
/_ABT: length 23.3
  Top w0.254: v1(61.18,100.08) U4.10 ; RN3.3 J17.7
  Bottom w0.254: v1(61.18,100.08) 61.81,99.44 U1.3 65.93,102.16 65.93,108.36 RN3.3
/_ABT.: length 120.7
  Top w0.254: U4.11 57.94,101.35 56.09,99.5 54.08,99.5 52.79,100.78 52.79,111.64 v1(52.16,112.27)
  Bottom w0.203: 79.2,113.28 80.73,113.28
  Bottom w0.254: 80.73,113.28 89.62,113.28 95.41,107.49 95.42,107.49 117.06,85.85 NT56.2 ; 79.2,113.28 53.17,113.28 v1(52.16,112.27)
/_CE1: length 38.5
  Top w0.254: v1(50.7,87.44) 50.13,88.01 U2.6 ; 83.02,95.63 82.99,95.61 v1(81.88,95.61)
  Bottom w0.254: v1(81.88,95.61) 77.76,95.61 75.2,93.04 62.75,93.04 57.04,87.33 50.81,87.33 v1(50.7,87.44)
/_CE2: length 55.8
  Top w0.254: v1(33.46,87.99) 32.1,87.99 U3.6 ; 83.02,96.9 81.95,96.9 v1(81.78,96.72)
  Bottom w0.254: v1(81.78,96.72) 80.38,98.12 77.18,98.12 74.71,95.66 62.27,95.66 56.42,89.81 41.13,89.81 39.31,87.99 v1(33.46,87.99)
/_CESD: length 20.5
  Top w0.254: NT63.2 147.05,76.18 147.67,75.56 157.95,75.56
  Bottom w0.2: 157.82,75.56 157.95,75.44
/_CS2_VIA: length 67.3
  Top w0.254: v1(22.31,88.77) 22.19,88.9 22.19,94.79 20.15,96.82 U13.4 ; U6.23 53.31,68.58 52.49,69.4 41.19,69.4 39.04,71.55 25.95,71.55 22.19,75.31 22.19,85.27 v1(22.09,85.37) 22.11,85.34 25.26,85.34 U12.19
  Bottom w0.254: v1(22.09,85.37) 22.19,85.47 22.19,88.65 v1(22.31,88.77)
/_CSFLASH: length 2.8
  Top w0.254: NT51.2 148.42,66.55 149.06,65.91 149.06,64.74
/_CSVIA: length 153.8
  Top w0.254: v1(26.73,95.45) 26.63,95.55 U13.16
  Bottom w0.254: v1(26.73,95.45) 31.66,90.53 31.66,79.58 38.34,72.9 56.48,72.9 61.15,68.22 61.15,56.03 68.15,49.04 119.34,49.04 138.12,67.82 R14.1
/_IRQ: length 152.6
  Top w0.254: U7.6 71.55,19.81 71.83,20.09 71.83,21.41 71.58,21.66 69.37,21.66 69.26,21.77 69.19,21.77 68.85,22.11 68.85,22.59 68.9,22.64 68.9,27.92 70.45,29.46 76.29,29.46 77.81,30.99 77.81,36.83 78.83,37.85 82.89,37.85 85.18,40.13 85.18,51.05 85.43,51.31 85.43,110.08 84,111.51 78.84,111.51 77.81,110.49 v1(77.05,110.49) ; J17.6 RN3.4 ; v1(61.15,97.54) U4.8
  Bottom w0.254: v1(77.05,110.49) 76.27,110.49 75.51,111.25 68.11,111.25 RN3.4 66.79,109.93 66.79,100.48 U1.4 61.79,96.9 v1(61.15,97.54)
/_IRQ.: length 122.1
  Top w0.254: v1(52.03,111.51) 52.38,111.15 52.38,98.84 52.99,98.23 59.45,98.23 U4.9
  Bottom w0.254: NT58.2 140.61,84.53 118.84,84.53 118.82,84.51 118.34,84.51 118.32,84.53 117.81,84.53 95.25,107.09 95.24,107.09 89.55,112.78 53.68,112.78 52.41,111.51 v1(52.03,111.51)
/_IRQ.2: length 58.5
  Top w0.254: U7.5 58.25,21.08 57.24,22.1 v1(57.24,54.1) 57.24,62.48 58.39,63.64 U6.21
  Bottom w0.2: R3.2 56.65,53.51 v1(57.24,54.1)
/_NMI: length 46.2
  Top w0.254: v1(54.57,108.2) 58.25,111.89 61.76,111.89 ; J17.8 61.76,111.89 ; 61.76,111.89 RN3.2 ; v1(56.35,98.81) U4.6 53.56,98.81 v1(53.17,99.19) ; v1(56.07,95.38) 56.07,91.46 56.29,91.24 62.63,91.24 U1.6
  Bottom w0.254: v1(53.17,99.19) 53.05,99.19 50.63,101.6 50.63,102.36 54.57,106.3 v1(54.57,108.2) ; v1(56.35,98.81) 56.35,95.86 56.07,95.59 v1(56.07,95.38)
/_NMI.: length 115.3
  Top w0.254: U4.5 54.11,100.08 53.2,100.99 53.2,112.73 52.68,113.25 v1(52.12,113.25)
  Bottom w0.254: NT57.2 140.73,87.07 117.82,87.07 117.8,87.05 117.32,87.05 117.3,87.07 116.42,87.07 95.59,107.9 95.58,107.9 89.68,113.79 52.92,113.79 52.38,113.25 v1(52.12,113.25)
/_RE: length 69.4
  Top w0.254: v1(56.73,88.01) 78.7,88.01 81.24,90.55 83.02,90.55 ; v1(43.27,87.88) 43.18,87.97 U3.31 40.21,87.97 39.54,88.65 30.44,88.65 29.68,87.88 23.62,87.88 22.35,86.61 16.01,86.61 U12.1
  Bottom w0.254: v1(43.27,87.88) 43.52,88.14 56.6,88.14 v1(56.73,88.01)
/_RESET: length 117.9
  Top w0.254: RN3.7 J17.3 ; U4.4 v1(56.22,101.35) 56.35,101.35 57.24,102.23 57.24,103.89 57.82,104.47 60.93,104.47 62.06,105.6 77.37,105.6 U1.40
  Bottom w0.254: v1(56.22,101.35) 52.16,97.28 31.33,97.28 30.98,97.64 29.27,97.64 29.04,97.41 18,97.41 16.73,96.14 16.73,94.74 17.61,93.85 17.61,74.93 25.37,67.17 U6.34 ; U1.40 74.46,108.51 RN3.7
/_RESET.: length 116.1
  Top w0.254: v1(52.19,114.13) 52.56,113.77 52.82,113.77 53.6,112.98 53.6,103.12 54.11,102.62 U4.3 55.24,102.46 v1(56.17,102.46)
  Bottom w0.203: R2.2 55.46,103.13 NT54.1
  Bottom w0.254: R2.2 v1(56.17,102.46) ; v1(52.19,114.13) 52.36,114.3 89.75,114.3 95.75,108.31 95.76,108.31 115.67,88.39 NT55.2
/_RWVIA: length 65.8
  Top w0.254: v1(23.46,88.77) 23.46,95.25 20.61,98.09 U13.3 ; v1(29.43,76.45) 29.43,73.71 31,72.14 39.2,72.14 41.49,69.85 53.54,69.85 55.85,67.54 U6.22
  Bottom w0.254: v1(29.43,76.45) 29.4,76.45 27.77,78.08 27.77,87.25 27.14,87.89 24.92,87.89 24.03,88.77 v1(23.46,88.77)
/_VP: length 24.9
  Top w0.254: U1.1 76.42,104.52 77.75,103.18 78.71,103.18 80.23,104.7 80.23,107.95 81.94,109.67 U11.5
/_VP.: length 2.5
  Top w0.254: U11.15 94.26,108.4 R8.2
/_WE: length 30.2
  Top w0.254: U2.13 46.19,79.12 45.65,79.66 35.71,79.66 35.13,79.08 U3.13
  Bottom w0.254: NT52.2 32.35,80.01 33.24,79.12 v1(33.24,79.08)
/_WPFLASH: length 14.6
  Top w0.254: v1(151.6,63.63) U14.3
  Bottom w0.254: SW1.5 148.3,55.5 148.3,60.32 v1(151.6,63.63) R15.2
/A0: length 79
  Top w0.254: U9.3 77.04,65.06 76.42,65.68 76.42,76.45 68.67,84.2 U1.9 62.63,84.78 56.53,84.78 55.08,86.23 55.08,89.53 50.25,94.36 U2.1 46.7,94.36 46.06,95 34.38,95 33.71,94.32 U3.1 29.92,94.32 28.61,93.01 U13.14
/A1: length 78.9
  Top w0.254: U13.13 32.05,91.74 U3.3 33.71,91.78 34.29,92.36 43.12,92.36 43.16,92.4 43.64,92.4 43.67,92.36 45.65,92.36 46.19,91.82 U2.3 50,91.82 53.3,88.52 53.3,82.68 53.74,82.24 62.63,82.24 U1.10 67.02,81.66 75.15,73.53 75.15,64.52 77.14,62.52 U9.5
/A2: length 78.1
  Top w0.254: U9.7 77.27,59.98 73.75,63.5 73.75,70.61 65.24,79.12 U1.11 62.63,79.7 53.79,79.7 51.52,81.97 51.52,87.63 49.87,89.28 U2.5 45.55,89.28 45.01,89.82 34.41,89.82 33.83,89.24 U3.5 30.76,89.24 29.53,90.47 U13.12
/A3: length 80.1
  Top w0.254: U13.11 25.52,89.15 v1(26.71,89.15) ; U9.9 77.53,57.44 72.22,62.74 72.22,67.56 U1.12 62.13,76.58 60.28,78.43 51.47,78.43 50.89,77.85 44.54,77.85 44,78.39 35.91,78.39 35.33,77.81 U3.14 30.58,77.81 30.34,77.57 29.81,77.57 v1(29.55,77.32)
  Bottom w0.254: v1(26.71,89.15) 28.94,86.92 28.94,77.93 v1(29.55,77.32)
/A4: length 55.5
  Top w0.254: U3.23 43.43,77.81 44.03,77.22 50.83,77.22 51.46,77.85 59.91,77.85 63.21,74.55 U1.13 66.64,70.61 66.64,65.91 81.11,51.43 U10.2
/A5: length 56
  Top w0.254: U10.3 81.5,50.16 65.75,65.91 65.75,69.6 63.84,71.5 U1.14 61.68,73.02 61.68,75.31 59.78,77.22 51.65,77.22 51.02,76.58 U2.15 48.19,76.54 U3.22
/A6: length 66
  Top w0.254: U3.15 35.3,76.54 35.88,75.96 44.83,75.96 44.86,76 51.01,76 51.59,76.58 59.27,76.58 61.18,74.68 61.18,70.99 U1.15 63.33,68.96 64.99,67.31 64.99,65.66 81.75,48.89 U10.4
/A7: length 66.6
  Top w0.254: U10.5 82,47.62 U1.16 63.21,66.68 60.67,69.22 60.67,74.46 59.18,75.95 52.29,75.95 51.65,75.31 U2.16 45.43,75.31 44.79,74.68 35.75,74.68 35.15,75.27 U3.16
/A8: length 57.4
  Top w0.254: v1(43.27,75.27) U3.21 ; v1(56.86,75.31) 59.2,75.31 60.13,74.38 60.13,68.86 61.59,67.4 61.59,65.5 U1.17 64.73,63.88 82.26,46.35 U10.6
  Bottom w0.254: v1(43.27,75.27) 43.31,75.31 v1(56.86,75.31)
/A9: length 58.7
  Top w0.254: U10.7 82.64,45.08 81.95,45.78 81.93,45.78 66.37,61.34 U1.18 60.99,63.56 60.99,67 59.59,68.4 59.59,73.8 59.35,74.04 55.97,74.04 55.33,74.68 45.68,74.68 45.01,74 U3.20
/A10: length 68
  Top w0.254: U10.8 82.51,43.81 81.24,45.08 81.24,45.59 68.03,58.8 U1.19 60.46,61.55 60.46,66.64 58.89,68.2 58.89,69.59 54.44,74.04 U2.17 46.95,74.04 46.34,73.42 35.58,73.42 35,74 U3.17
/A11: length 69.8
  Top w0.254: U10.9 81.75,42.54 81.37,42.93 81.37,43.94 80.61,44.7 80.61,45.21 69.56,56.26 U1.20 ; U1.20 61.59,57.88 61.59,59 59.79,60.8 59.79,66.3 58.19,67.9 58.19,69.2 54.62,72.77 46.95,72.77 46.22,72.03 40.58,72.03 39.88,72.73 U3.18 ; U1.20 63.46,56.26
/A11_IOL15A: length 6.2
  Top w0.254: NT36.1 95.97,59.05 98.01,59.05 98.01,59.09 J3.17
/A12: length 53.5
  Top w0.254: U3.24 44.7,79.08 45.3,78.49 49.28,78.49 49.91,79.12 60.41,79.12 61.68,77.85 64.22,77.85 72.99,69.09 72.99,63.12 77.3,58.8 U1.22 78.54,58.71 U9.8
/A12_IOL13B: length 1.9
  Top w0.254: J3.6 96.7,45.08 NT27.2
/A13: length 71.6
  Top w0.254: U9.6 78.54,61.25 U1.23 77.18,61.34 74.51,64.01 74.51,72.01 66.13,80.39 61.81,80.39 61.23,80.97 53.74,80.97 52.41,82.3 52.41,88 49.86,90.55 U2.4 45.81,90.55 45.17,91.19 34.38,91.19 33.71,90.51 U3.4
